# Altium PCB amp.PcbDoc (part 16 of 20)
Units mm, origin at the board's own origin, x right, y up, seen from the top; angles counter-clockwise.
Board outline 210 x 210 mm, 2 copper layers (Top Layer, Bottom Layer); 742 components, 1354 nets, 6402 pads, 5154 vias.
Unrouted connection lines stored in the file: 702.
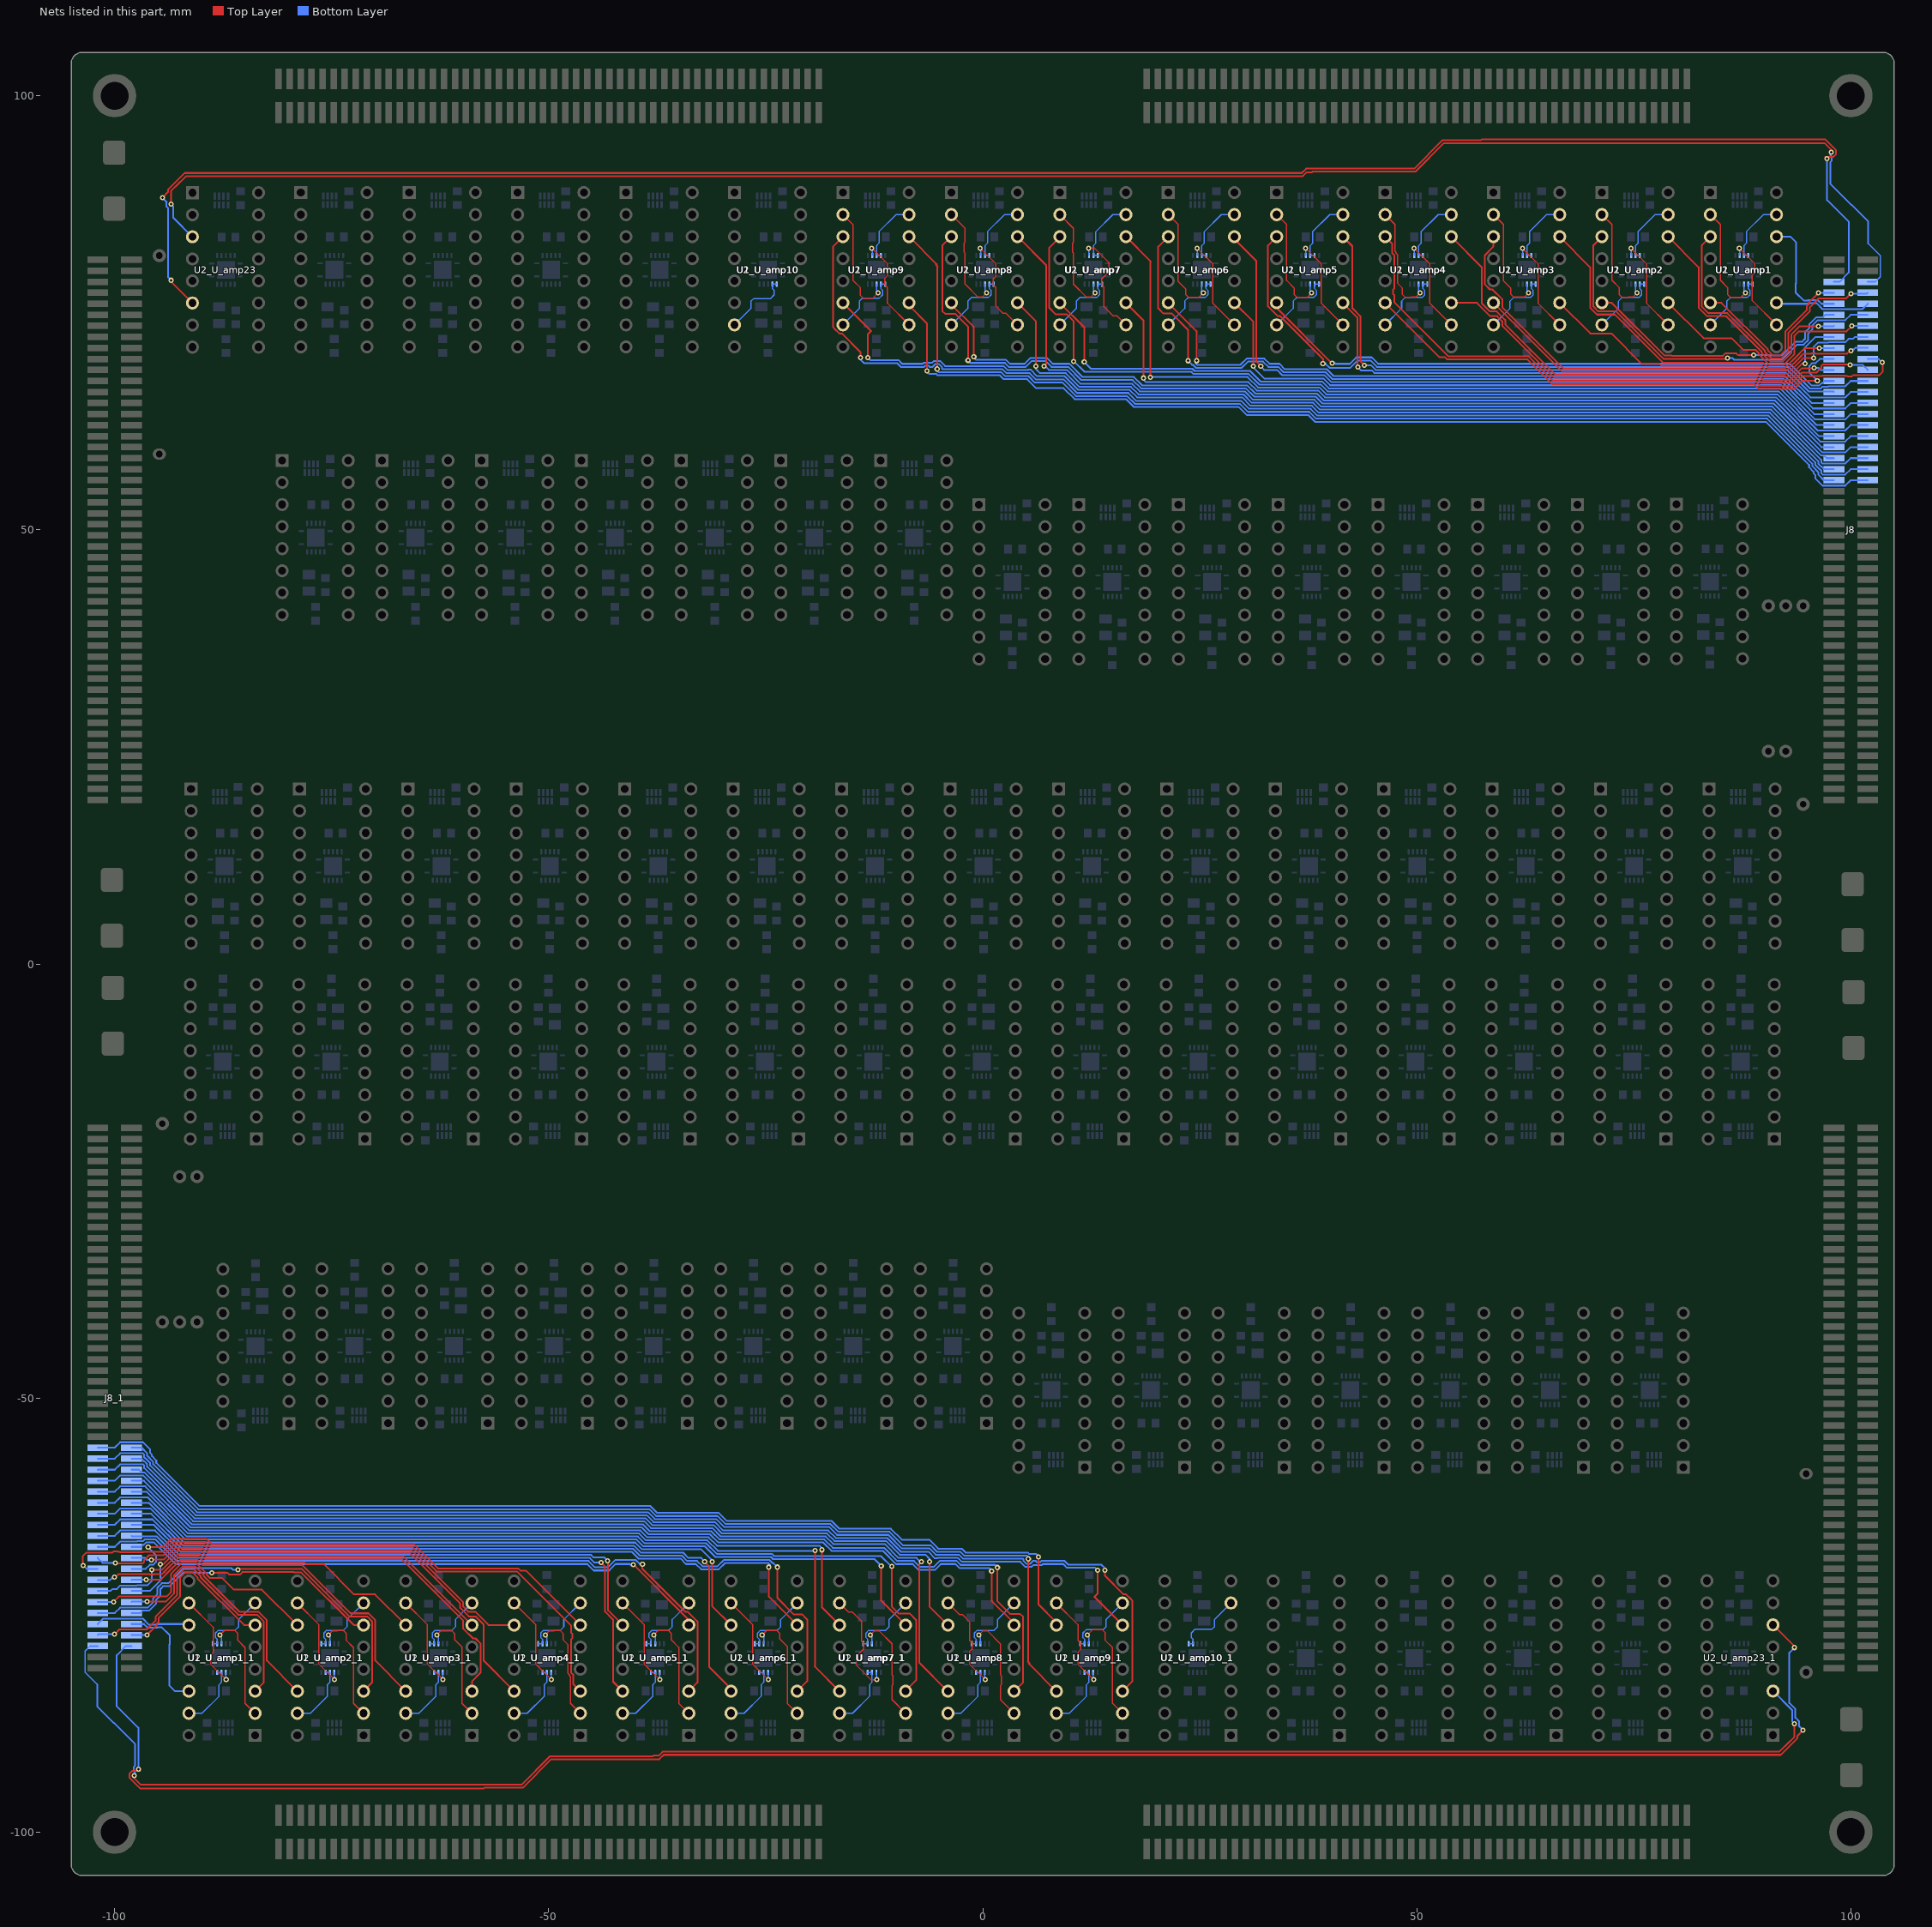
[diagram p16: the nets of this part, all layers, seen from the top]

## Via types
v1: diameter 0.6, hole 0.3, Top Layer to Bottom Layer, tented both sides, 4704 vias
v2: diameter 0.5, hole 0.3, Top Layer to Bottom Layer, 450 vias

## Nets (pads, with @x,y where several pads share a name; then routed paths per layer and width w, separated by ;. In a path a pad name is that pad's centre, name@x,y a point inside that pad or via, vN(x,y) a via of type N, cw(c..) or ccw(c..) an arc to the next point about the centre after c; other vN are vias at no path point) (continued)
NetJ8_59: J8.59 J8_1.59 U2_U_amp9.14 U2_U_amp9_1.14 | length 251.5
  Top Layer w0.2: U2_U_amp9.14@-8.481,83.77 -5.309,80.598 -5.385,80.522 -5.207,80.344 -5.258,80.293 v1(-5.258,68.529) ; v1(5.258,-68.529) 5.258,-80.293 5.207,-80.344 5.385,-80.522 5.309,-80.598 U2_U_amp9_1.14@8.481,-83.77
  Bottom Layer w0.2: J8_1.59@-98.05,-55.715 -96.901,-55.715 -96.25,-56.366 -96.25,-56.647 -95.55,-57.347 -95.55,-57.627 -90.374,-62.802 -38.419,-62.802 -37.631,-63.59 -30.556,-63.59 -29.624,-64.522 -17.532,-64.522 -16.64,-65.413 -10.722,-65.413 -9.144,-66.991 -5.968,-66.991 -5.445,-67.514 -5.239,-67.72 -2.558,-67.72 -2.108,-68.171 5.077,-68.171 5.258,-68.351 v1(5.258,-68.529) ; v1(-5.258,68.529) -5.258,68.351 -5.077,68.171 2.108,68.171 2.558,67.72 5.239,67.72 5.445,67.514 5.968,66.991 9.144,66.991 10.722,65.413 16.64,65.413 17.532,64.522 29.624,64.522 30.556,63.59 37.631,63.59 38.419,62.802 90.374,62.802 95.55,57.627 95.55,57.347 96.25,56.647 96.25,56.366 96.901,55.715 J8.59@98.05,55.715
NetJ8_60: J8.60 J8_1.60 U2_U_amp9.11 U2_U_amp9_1.11 | length 246.7
  Top Layer w0.2: U2_U_amp9.11@-8.481,76.15 -8.481,75.846 -6.426,73.791 v1(-6.426,68.326) ; v1(6.426,-68.326) 6.426,-73.791 8.481,-75.846 U2_U_amp9_1.11@8.481,-76.15
  Bottom Layer w0.2: J8_1.60@-101.95,-55.715 -99.974,-55.715 -99.354,-55.095 -96.746,-55.095 -95.9,-55.941 -95.9,-56.322 -95.707,-56.515 -95.707,-56.694 -95.2,-57.202 -95.2,-57.482 -90.229,-62.452 -38.274,-62.452 -37.486,-63.24 -30.411,-63.24 -29.479,-64.172 -17.387,-64.172 -16.495,-65.063 -10.577,-65.063 -9.324,-66.316 -6.148,-66.316 -5.3,-67.164 -5.094,-67.37 -2.413,-67.37 -1.976,-67.807 5.213,-67.807 5.371,-67.965 6.193,-67.965 6.426,-68.199 v1(6.426,-68.326) ; v1(-6.426,68.326) -6.426,68.199 -6.193,67.965 -5.371,67.965 -5.213,67.807 1.976,67.807 2.413,67.37 5.094,67.37 5.3,67.164 6.148,66.316 9.324,66.316 10.577,65.063 16.495,65.063 17.387,64.172 29.479,64.172 30.411,63.24 37.486,63.24 38.274,62.452 90.229,62.452 95.2,57.482 95.2,57.202 95.707,56.694 95.707,56.515 95.9,56.322 95.9,55.941 96.746,55.095 99.354,55.095 99.974,55.715 J8.60@101.95,55.715
NetJ8_61: J8.61 J8_1.61 U2_U_amp9.6 U2_U_amp9_1.6 | length 249.8
  Top Layer w0.2: U2_U_amp9.6@-16.101,76.15 -12.852,72.902 -13.233,72.521 v1(-13.233,69.825) ; v1(13.233,-69.825) 13.233,-72.521 12.852,-72.902 U2_U_amp9_1.6@16.101,-76.15
  Bottom Layer w0.2: J8_1.61@-98.05,-56.985 -96.951,-56.985 -96.651,-57.285 -96.601,-57.285 -96.25,-57.636 -96.25,-57.917 -90.664,-63.502 -38.709,-63.502 -37.921,-64.29 -30.845,-64.29 -29.886,-65.25 -17.794,-65.25 -16.93,-66.113 -11.012,-66.113 -9.434,-67.691 -6.258,-67.691 -5.487,-68.462 -5.28,-68.462 -5.239,-68.42 -2.848,-68.42 -2.398,-68.871 4.326,-68.871 4.885,-69.429 5.631,-69.429 5.834,-69.226 6.799,-69.226 6.905,-69.12 9.289,-69.12 9.714,-69.546 12.955,-69.546 v1(13.233,-69.825) ; v1(-13.233,69.825) -12.955,69.546 -9.714,69.546 -9.289,69.12 -6.905,69.12 -6.799,69.226 -5.834,69.226 -5.631,69.429 -4.885,69.429 -4.326,68.871 2.398,68.871 2.848,68.42 5.239,68.42 5.28,68.462 5.487,68.462 6.258,67.691 9.434,67.691 11.012,66.113 16.93,66.113 17.794,65.25 29.886,65.25 30.845,64.29 37.921,64.29 38.709,63.502 90.664,63.502 96.25,57.917 96.25,57.636 96.601,57.285 96.651,57.285 96.951,56.985 J8.61@98.05,56.985
NetJ8_62: J8.62 J8_1.62 U2_U_amp9.3 U2_U_amp9_1.3 | length 277.4
  Top Layer w0.2: U2_U_amp9.3@-16.101,83.77 -17.247,82.625 -17.247,73.355 -17.101,73.21 -17.101,73.196 -16.515,72.61 -16.227,72.61 -14.097,70.48 v1(-14.097,69.825) ; v1(14.097,-69.825) 14.097,-70.48 16.227,-72.61 16.515,-72.61 17.101,-73.196 17.101,-73.21 17.247,-73.355 17.247,-82.625 U2_U_amp9_1.3@16.101,-83.77
  Bottom Layer w0.2: J8_1.62@-101.95,-56.985 -99.974,-56.985 -99.354,-56.365 -96.746,-56.365 -96.6,-56.511 -96.6,-56.841 -96.506,-56.935 -96.456,-56.935 -95.9,-57.492 -95.9,-57.772 -90.519,-63.152 -38.564,-63.152 -37.776,-63.94 -30.701,-63.94 -29.769,-64.872 -17.677,-64.872 -16.785,-65.763 -10.867,-65.763 -9.289,-67.341 -6.113,-67.341 -5.549,-67.906 -5.384,-68.07 -2.703,-68.07 -2.253,-68.521 4.649,-68.521 4.708,-68.579 4.708,-68.757 5.03,-69.079 5.486,-69.079 5.816,-68.749 6.071,-68.749 6.198,-68.876 6.654,-68.876 6.76,-68.77 9.434,-68.77 9.859,-69.196 13.662,-69.196 14.097,-69.631 v1(14.097,-69.825) ; v1(-14.097,69.825) -14.097,69.631 -13.662,69.196 -9.859,69.196 -9.434,68.77 -6.76,68.77 -6.654,68.876 -6.198,68.876 -6.071,68.749 -5.816,68.749 -5.486,69.079 -5.03,69.079 -4.708,68.757 -4.708,68.579 -4.649,68.521 2.253,68.521 2.703,68.07 5.384,68.07 5.549,67.906 6.113,67.341 9.289,67.341 10.867,65.763 16.785,65.763 17.677,64.872 29.769,64.872 30.701,63.94 37.776,63.94 38.564,63.152 90.519,63.152 95.9,57.772 95.9,57.492 96.456,56.935 96.506,56.935 96.6,56.841 96.6,56.511 96.746,56.365 99.354,56.365 99.974,56.985 J8.62@101.95,56.985
NetJ8_63: J8.63 J8_1.63 U2_U_amp8.14 U2_U_amp8_1.14 | length 223.6
  Top Layer w0.2: v1(-7.049,-68.87) -7.321,-69.142 -7.321,-80.459 U2_U_amp8_1.14@-4.009,-83.77 ; U2_U_amp8.14@4.009,83.77 7.321,80.459 7.321,69.142 v1(7.049,68.87)
  Bottom Layer w0.2: J8_1.63@-98.05,-58.255 -97.205,-58.255 -96.905,-58.555 -96.601,-58.555 -90.954,-64.202 -38.998,-64.202 -38.211,-64.99 -31.135,-64.99 -30.176,-65.95 -18.084,-65.95 -17.22,-66.813 -11.302,-66.813 -9.695,-68.42 -7.631,-68.42 -7.141,-68.91 -7.101,-68.87 v1(-7.049,-68.87) ; v1(7.049,68.87) 7.101,68.87 7.141,68.91 7.631,68.42 9.695,68.42 11.302,66.813 17.22,66.813 18.084,65.95 30.176,65.95 31.135,64.99 38.211,64.99 38.998,64.202 90.954,64.202 96.601,58.555 96.905,58.555 97.205,58.255 J8.63@98.05,58.255
NetJ8_64: J8.64 J8_1.64 U2_U_amp8.11 U2_U_amp8_1.11 | length 218.5
  Top Layer w0.2: v1(-6.121,-68.859) -6.121,-74.041 -6.12,-74.04 U2_U_amp8_1.11@-4.009,-76.15 ; U2_U_amp8.11@4.009,76.15 6.12,74.04 6.121,74.041 v1(6.121,68.859)
  Bottom Layer w0.2: J8_1.64@-101.95,-58.255 -99.974,-58.255 -99.354,-57.635 -96.746,-57.635 -96.6,-57.781 -96.6,-58.062 -90.809,-63.852 -38.854,-63.852 -38.066,-64.64 -30.99,-64.64 -30.031,-65.6 -17.939,-65.6 -17.075,-66.463 -11.157,-66.463 -9.574,-68.047 -6.604,-68.047 -6.121,-68.529 v1(-6.121,-68.859) ; v1(6.121,68.859) 6.121,68.529 6.604,68.047 9.574,68.047 11.157,66.463 17.075,66.463 17.939,65.6 30.031,65.6 30.99,64.64 38.066,64.64 38.854,63.852 90.809,63.852 96.6,58.062 96.6,57.781 96.746,57.635 99.354,57.635 99.974,58.255 J8.64@101.95,58.255
NetJ8_65: J8.65 J8_1.65 U2_U_amp8.6 U2_U_amp8_1.6 | length 222.6
  Top Layer w0.2: U2_U_amp8.6@-3.611,76.15 -3.611,75.947 -1.016,73.352 v1(-1.016,69.926) ; v1(1.016,-69.926) 1.016,-73.352 3.611,-75.947 U2_U_amp8_1.6@3.611,-76.15
  Bottom Layer w0.2: J8_1.65@-98.05,-59.525 -96.621,-59.525 -91.244,-64.902 -39.288,-64.902 -38.501,-65.69 -31.425,-65.69 -30.465,-66.65 -18.374,-66.65 -17.423,-67.601 -11.505,-67.601 -9.94,-69.165 -9.896,-69.12 -8.072,-69.12 -7.422,-69.77 -5.466,-69.77 -4.817,-69.12 -3.138,-69.12 -2.688,-69.571 0.776,-69.571 1.016,-69.811 v1(1.016,-69.926) ; v1(-1.016,69.926) -1.016,69.811 -0.776,69.571 2.688,69.571 3.138,69.12 4.817,69.12 5.466,69.77 7.422,69.77 8.072,69.12 9.896,69.12 9.94,69.165 11.505,67.601 17.423,67.601 18.374,66.65 30.465,66.65 31.425,65.69 38.501,65.69 39.288,64.902 91.244,64.902 96.621,59.525 J8.65@98.05,59.525
NetJ8_66: J8.66 J8_1.66 U2_U_amp8.3 U2_U_amp8_1.3 | length 250.8
  Top Layer w0.2: U2_U_amp8.3@-3.611,83.77 -4.648,82.733 -4.648,75.209 -4.293,74.854 -3.15,74.854 -1.702,73.406 v1(-1.702,69.52) ; v1(1.702,-69.52) 1.702,-73.406 3.15,-74.854 4.293,-74.854 4.648,-75.209 4.648,-82.733 U2_U_amp8_1.3@3.611,-83.77
  Bottom Layer w0.2: J8_1.66@-101.95,-59.525 -99.974,-59.525 -99.354,-58.905 -96.746,-58.905 -91.099,-64.552 -39.143,-64.552 -38.356,-65.34 -31.28,-65.34 -30.321,-66.3 -18.229,-66.3 -17.278,-67.251 -11.36,-67.251 -9.84,-68.77 -7.927,-68.77 -7.277,-69.42 -5.611,-69.42 -4.962,-68.77 -2.993,-68.77 -2.543,-69.221 1.418,-69.221 1.49,-69.292 1.49,-69.308 v1(1.702,-69.52) ; v1(-1.702,69.52) -1.49,69.308 -1.49,69.292 -1.418,69.221 2.543,69.221 2.993,68.77 4.962,68.77 5.611,69.42 7.277,69.42 7.927,68.77 9.84,68.77 11.36,67.251 17.278,67.251 18.229,66.3 30.321,66.3 31.28,65.34 38.356,65.34 39.143,64.552 91.099,64.552 96.746,58.905 99.354,58.905 99.974,59.525 J8.66@101.95,59.525
NetJ8_67: J8.67 J8_1.67 U2_U_amp7.14 U2_U_amp7_1.14 | length 198.1
  Top Layer w0.2: v1(-19.304,-67.564) -19.304,-80.864 -19.355,-80.915 U2_U_amp7_1.14@-16.499,-83.77 ; U2_U_amp7.14@16.499,83.77 19.355,80.915 19.304,80.864 v1(19.304,67.564)
  Bottom Layer w0.2: J8_1.67@-98.05,-60.795 -96.341,-60.795 -91.534,-65.602 -39.578,-65.602 -38.791,-66.39 -31.715,-66.39 -30.504,-67.601 -19.468,-67.601 -19.355,-67.488 -19.304,-67.539 v1(-19.304,-67.564) ; v1(19.304,67.564) 19.304,67.539 19.355,67.488 19.468,67.601 30.504,67.601 31.715,66.39 38.791,66.39 39.578,65.602 91.534,65.602 96.341,60.795 J8.67@98.05,60.795
NetJ8_68: J8.68 J8_1.68 U2_U_amp7.11 U2_U_amp7_1.11 | length 192.8
  Top Layer w0.2: v1(-18.517,-67.488) -18.517,-74.133 U2_U_amp7_1.11@-16.499,-76.15 ; U2_U_amp7.11@16.499,76.15 18.517,74.133 v1(18.517,67.488)
  Bottom Layer w0.2: J8_1.68@-101.95,-60.795 -99.974,-60.795 -99.354,-60.175 -96.466,-60.175 -91.389,-65.252 -39.433,-65.252 -38.646,-66.04 -31.57,-66.04 -30.596,-67.014 -18.813,-67.014 v1@-18.479,-67.348 ; v1(-18.517,-67.488) -18.517,-67.386 v1@-18.479,-67.348 ; v1(18.517,67.488) 18.517,67.386 v1@18.479,67.348 ; J8.68@101.95,60.795 99.974,60.795 99.354,60.175 96.466,60.175 91.389,65.252 39.433,65.252 38.646,66.04 31.57,66.04 30.596,67.014 18.813,67.014 v1@18.479,67.348 ; v1@-18.479,-67.348 -18.466,-67.361 -18.466,-67.335 v1@-18.479,-67.348 ; v1@18.479,67.348 18.466,67.335 18.466,67.361 v1@18.479,67.348
NetJ8_69: J8.69 J8_1.69 U2_U_amp7.6 U2_U_amp7_1.6 | length 194.7
  Top Layer w0.2: v1(-11.684,-69.342) -11.684,-73.346 U2_U_amp7_1.6@-8.879,-76.15 ; U2_U_amp7.6@8.879,76.15 11.684,73.346 v1(11.684,69.342)
  Bottom Layer w0.2: J8_1.69@-98.05,-62.065 -96.061,-62.065 -91.824,-66.302 -39.868,-66.302 -39.081,-67.09 -32.005,-67.09 -30.789,-68.306 -24.401,-68.306 -24.153,-68.555 -12.471,-68.555 v1(-11.684,-69.342) ; v1(11.684,69.342) 12.471,68.555 24.153,68.555 24.401,68.306 30.789,68.306 32.005,67.09 39.081,67.09 39.868,66.302 91.824,66.302 96.061,62.065 J8.69@98.05,62.065
NetJ8_70: J8.70 J8_1.70 U2_U_amp7.3 U2_U_amp7_1.3 | length 223.6
  Top Layer w0.2: v1(-10.49,-69.393) -10.49,-74.016 -9.703,-74.803 -8.433,-74.803 -7.671,-75.565 -7.671,-82.499 -8.879,-83.708 U2_U_amp7_1.3@-8.879,-83.77 ; U2_U_amp7.3@8.879,83.77 8.879,83.708 7.671,82.499 7.671,75.565 8.433,74.803 9.703,74.803 10.49,74.016 v1(10.49,69.393)
  Bottom Layer w0.2: J8_1.70@-101.95,-62.065 -99.974,-62.065 -99.354,-61.445 -96.186,-61.445 -91.679,-65.952 -39.723,-65.952 -38.936,-66.74 -31.86,-66.74 -30.644,-67.956 -24.256,-67.956 -24.008,-68.205 -11.729,-68.205 -10.516,-69.418 v1(-10.49,-69.393) ; v1(10.49,69.393) 10.516,69.418 11.729,68.205 24.008,68.205 24.256,67.956 30.644,67.956 31.86,66.74 38.936,66.74 39.723,65.952 91.679,65.952 96.186,61.445 99.354,61.445 99.974,62.065 J8.70@101.95,62.065
NetJ8_71: J8.71 J8_1.71 U2_U_amp6.14 U2_U_amp6_1.14 | length 169.2
  Top Layer w0.2: v1(-32.029,-68.834) -32.08,-68.834 -31.496,-69.418 -31.496,-74.813 -31.513,-74.829 -31.513,-75.285 -31.496,-75.301 -31.496,-76.014 -31.508,-76.026 -31.508,-80.975 -28.989,-83.493 U2_U_amp6_1.14@-28.989,-83.77 ; U2_U_amp6.14@28.989,83.77 28.989,83.493 31.508,80.975 31.508,76.026 31.496,76.014 31.496,75.301 31.513,75.285 31.513,74.829 31.496,74.813 31.496,69.418 32.08,68.834 v1(32.029,68.834)
  Bottom Layer w0.2: J8_1.71@-98.05,-63.335 -95.781,-63.335 -92.114,-67.002 -40.158,-67.002 -39.371,-67.79 -34.525,-67.79 -33.894,-68.42 -32.418,-68.42 -32.029,-68.809 v1(-32.029,-68.834) ; v1(32.029,68.834) 32.029,68.809 32.418,68.42 33.894,68.42 34.525,67.79 39.371,67.79 40.158,67.002 92.114,67.002 95.781,63.335 J8.71@98.05,63.335
NetJ8_72: J8.72 J8_1.72 U2_U_amp6.11 U2_U_amp6_1.11 | length 163.7
  Top Layer w0.2: v1(-31.146,-68.834) -31.146,-73.994 U2_U_amp6_1.11@-28.989,-76.15 ; U2_U_amp6.11@28.989,76.15 31.146,73.994 v1(31.146,68.834)
  Bottom Layer w0.2: J8_1.72@-101.95,-63.335 -99.974,-63.335 -99.354,-62.715 -95.906,-62.715 -91.969,-66.652 -40.013,-66.652 -39.226,-67.44 -32.433,-67.44 -31.146,-68.727 v1(-31.146,-68.834) ; v1(31.146,68.834) 31.146,68.727 32.433,67.44 39.226,67.44 40.013,66.652 91.969,66.652 95.906,62.715 99.354,62.715 99.974,63.335 J8.72@101.95,63.335
NetJ8_73: J8.73 J8_1.73 U2_U_amp6.6 U2_U_amp6_1.6 | length 168.9
  Top Layer w0.2: v1(-24.638,-69.469) -24.638,-72.882 U2_U_amp6_1.6@-21.369,-76.15 ; U2_U_amp6.6@21.369,76.15 24.638,72.882 v1(24.638,69.469)
  Bottom Layer w0.2: J8_1.73@-98.05,-64.605 -95.501,-64.605 -92.404,-67.702 -40.448,-67.702 -39.661,-68.49 -34.815,-68.49 -34.184,-69.12 -33.052,-69.12 -32.438,-69.734 -30.411,-69.734 -29.683,-69.006 -24.691,-69.006 -24.486,-69.212 -24.638,-69.364 v1(-24.638,-69.469) ; v1(24.638,69.469) 24.638,69.364 24.486,69.212 24.691,69.006 29.683,69.006 30.411,69.734 32.438,69.734 33.052,69.12 34.184,69.12 34.815,68.49 39.661,68.49 40.448,67.702 92.404,67.702 95.501,64.605 J8.73@98.05,64.605
NetJ8_74: J8.74 J8_1.74 U2_U_amp6.3 U2_U_amp6_1.3 | length 196.4
  Top Layer w0.2: v1(-23.647,-69.469) -23.647,-73.05 -21.793,-74.905 -20.828,-74.905 -20.218,-75.514 -20.218,-82.619 U2_U_amp6_1.3@-21.369,-83.77 ; U2_U_amp6.3@21.369,83.77 20.218,82.619 20.218,75.514 20.828,74.905 21.793,74.905 23.647,73.05 v1(23.647,69.469)
  Bottom Layer w0.2: J8_1.74@-101.95,-64.605 -99.974,-64.605 -99.354,-63.985 -95.626,-63.985 -92.259,-67.352 -40.303,-67.352 -39.516,-68.14 -34.67,-68.14 -34.039,-68.77 -32.907,-68.77 -32.293,-69.384 -30.556,-69.384 -29.828,-68.656 -24.546,-68.656 -24.199,-69.003 -24.113,-69.003 v1(-23.647,-69.469) ; v1(23.647,69.469) 24.113,69.003 24.199,69.003 24.546,68.656 29.828,68.656 30.556,69.384 32.293,69.384 32.907,68.77 34.039,68.77 34.67,68.14 39.516,68.14 40.303,67.352 92.259,67.352 95.626,63.985 99.354,63.985 99.974,64.605 J8.74@101.95,64.605
NetJ8_75: J8.75 J8_1.75 U2_U_amp5.14 U2_U_amp5_1.14 | length 142.4
  Top Layer w0.2: v1(-43.967,-68.961) -43.505,-69.424 -43.505,-74.62 -42.57,-75.555 -42.57,-82.68 U2_U_amp5_1.14@-41.48,-83.77 ; U2_U_amp5.14@41.48,83.77 42.57,82.68 42.57,75.555 43.505,74.62 43.505,69.424 v1(43.967,68.961)
  Bottom Layer w0.2: J8_1.75@-98.05,-65.875 -97.992,-65.933 -95.163,-65.933 -92.676,-68.42 -45.252,-68.42 -44.712,-68.961 v1(-43.967,-68.961) ; v1(43.967,68.961) 44.712,68.961 45.252,68.42 92.676,68.42 95.163,65.933 97.992,65.933 J8.75@98.05,65.875
NetJ8_76: J8.76 J8_1.76 U2_U_amp5.11 U2_U_amp5_1.11 | length 137.3
  Top Layer w0.2: v1(-43.205,-68.758) -43.205,-68.732 -43.155,-68.783 -43.155,-74.475 U2_U_amp5_1.11@-41.48,-76.15 ; U2_U_amp5.11@41.48,76.15 43.155,74.475 43.155,68.783 43.205,68.732 v1(43.205,68.758)
  Bottom Layer w0.2: J8_1.76@-101.95,-65.875 -99.974,-65.875 -99.326,-65.227 -96.799,-65.227 -96.771,-65.255 -95.346,-65.255 -92.531,-68.07 -45.107,-68.07 -44.801,-68.377 -43.561,-68.377 -43.205,-68.732 v1(-43.205,-68.758) ; v1(43.205,68.758) 43.205,68.732 43.561,68.377 44.801,68.377 45.107,68.07 92.531,68.07 95.346,65.255 96.771,65.255 96.799,65.227 99.326,65.227 99.974,65.875 J8.76@101.95,65.875
NetJ8_77: J8.77 J8_1.77 U2_U_amp5.6 U2_U_amp5_1.6 | length 138.9
  Top Layer w0.2: v1(-40.234,-69.19) -33.86,-75.564 U2_U_amp5_1.6@-33.86,-76.15 ; U2_U_amp5.6@33.86,76.15 33.86,75.564 v1(40.234,69.19)
  Bottom Layer w0.2: J8_1.77@-98.05,-67.145 -96.965,-67.145 -96.678,-66.859 -96.635,-66.902 -96.367,-66.633 -95.453,-66.633 -92.966,-69.12 -45.542,-69.12 -44.802,-69.861 -43.028,-69.861 -42.287,-69.12 -40.672,-69.12 -40.49,-69.302 -40.346,-69.302 v1(-40.234,-69.19) ; v1(40.234,69.19) 40.346,69.302 40.49,69.302 40.672,69.12 42.287,69.12 43.028,69.861 44.802,69.861 45.542,69.12 92.966,69.12 95.453,66.633 96.367,66.633 96.635,66.902 96.678,66.859 96.965,67.145 J8.77@98.05,67.145
NetJ8_78: J8.78 J8_1.78 U2_U_amp5.3 U2_U_amp5_1.3 | length 165.7
  Top Layer w0.2: v1(-39.192,-69.139) -39.192,-69.692 -34.274,-74.61 -33.985,-74.61 -32.86,-75.736 -32.86,-82.77 U2_U_amp5_1.3@-33.86,-83.77 ; U2_U_amp5.3@33.86,83.77 32.86,82.77 32.86,75.736 33.985,74.61 34.274,74.61 39.192,69.692 v1(39.192,69.139)
  Bottom Layer w0.2: J8_1.78@-101.95,-67.145 -99.974,-67.145 -99.354,-66.525 -97.414,-66.525 -97.384,-66.495 -96.746,-66.495 -96.534,-66.283 -95.308,-66.283 -92.821,-68.77 -45.397,-68.77 -44.657,-69.511 -43.173,-69.511 -42.301,-68.64 -40.006,-68.64 -39.507,-69.139 v1(-39.192,-69.139) ; v1(39.192,69.139) 39.507,69.139 40.006,68.64 42.301,68.64 43.173,69.511 44.657,69.511 45.397,68.77 92.821,68.77 95.308,66.283 96.534,66.283 96.746,66.495 97.384,66.495 97.414,66.525 99.354,66.525 99.974,67.145 J8.78@101.95,67.145
NetJ8_79: J8.79 J8_1.79 U2_U_amp4.14 U2_U_amp4_1.14 | length 108.7
  Top Layer w0.2: v1(-95.783,-68.656) -95.783,-68.639 -95.759,-68.614 -94.358,-68.614 -93.014,-67.27 -89.866,-67.27 -89.288,-67.849 -66.015,-67.849 -60.19,-73.675 -60.19,-74.17 -59.209,-75.15 -58.426,-75.15 -57.49,-76.086 -57.49,-80.25 U2_U_amp4_1.14@-53.97,-83.77 ; U2_U_amp4.14@53.97,83.77 57.49,80.25 57.49,76.086 58.426,75.15 59.209,75.15 60.19,74.17 60.19,73.675 66.015,67.849 89.288,67.849 89.866,67.27 93.014,67.27 94.358,68.614 95.759,68.614 95.783,68.639 v1(95.783,68.656)
  Bottom Layer w0.2: J8_1.79@-98.05,-68.415 -96.528,-68.415 -96.312,-68.631 -96.261,-68.58 -96.185,-68.656 v1(-95.783,-68.656) ; v1(95.783,68.656) 96.185,68.656 96.261,68.58 96.312,68.631 96.528,68.415 J8.79@98.05,68.415
NetJ8_80: J8.80 J8_1.80 U2_U_amp4.11 U2_U_amp4_1.11 | length 106.7
  Top Layer w0.2: v1(-99.924,-68.986) -99.875,-69.035 -96.746,-69.035 -96.587,-68.876 -96.587,-68.665 -96.029,-68.106 -94.345,-68.106 -93.159,-66.92 -89.721,-66.92 -89.143,-67.499 -65.87,-67.499 -59.84,-73.53 -59.84,-74.025 -59.254,-74.61 -58.471,-74.61 -56.931,-76.15 U2_U_amp4_1.11@-53.97,-76.15 ; U2_U_amp4.11@53.97,76.15 56.931,76.15 58.471,74.61 59.254,74.61 59.84,74.025 59.84,73.53 65.87,67.499 89.143,67.499 89.721,66.92 93.159,66.92 94.345,68.106 96.029,68.106 96.587,68.665 96.587,68.876 96.746,69.035 99.875,69.035 v1(99.924,68.986)
  Bottom Layer w0.2: J8_1.80@-101.95,-68.415 -101.379,-68.986 v1(-99.924,-68.986) ; v1(99.924,68.986) 101.379,68.986 J8.80@101.95,68.415
NetJ8_81: J8.81 J8_1.81 U2_U_amp4.6 U2_U_amp4_1.6 | length 119.1
  Top Layer w0.2: v1(-96.139,-67.183) -94.412,-67.183 -93.449,-66.22 -89.431,-66.22 -88.853,-66.799 -65.581,-66.799 -62.753,-69.627 -53.504,-69.627 -53.256,-69.875 -52.625,-69.875 U2_U_amp4_1.6@-46.35,-76.15 ; U2_U_amp4.6@46.35,76.15 52.625,69.875 53.256,69.875 53.504,69.627 62.753,69.627 65.581,66.799 88.853,66.799 89.431,66.22 93.449,66.22 94.412,67.183 v1(96.139,67.183)
  Bottom Layer w0.2: J8_1.81@-98.05,-69.685 -96.422,-69.685 -95.943,-69.206 -95.556,-69.206 -95.233,-68.884 -95.233,-68.089 v1(-96.139,-67.183) ; v1(96.139,67.183) 95.233,68.089 95.233,68.884 95.556,69.206 95.943,69.206 96.422,69.685 J8.81@98.05,69.685
NetJ8_82: J8.82 J8_1.82 U2_U_amp4.3 U2_U_amp4_1.3 | length 144.2
  Top Layer w0.2: v1(-103.607,-69.291) -103.581,-69.266 -103.581,-69.113 -103.683,-69.012 -103.683,-68.224 -103.254,-67.795 -100.247,-67.795 -100.126,-67.674 -99.67,-67.674 -99.614,-67.731 -99.388,-67.731 -99.354,-67.765 -96.746,-67.765 -96.712,-67.731 -96.648,-67.731 -96.646,-67.733 -94.467,-67.733 -93.304,-66.57 -89.576,-66.57 -88.998,-67.149 -65.725,-67.149 -62.898,-69.977 -53.649,-69.977 -47.422,-76.204 -47.422,-77.022 -47.253,-77.191 -47.253,-77.647 -47.422,-77.816 -47.422,-81.609 -47.171,-81.86 -47.171,-82.949 U2_U_amp4_1.3@-46.35,-83.77 ; U2_U_amp4.3@46.35,83.77 47.171,82.949 47.171,81.86 47.422,81.609 47.422,77.816 47.253,77.647 47.253,77.191 47.422,77.022 47.422,76.204 53.649,69.977 62.898,69.977 65.725,67.149 88.998,67.149 89.576,66.57 93.304,66.57 94.467,67.733 96.646,67.733 96.648,67.731 96.712,67.731 96.746,67.765 99.354,67.765 99.388,67.731 99.614,67.731 99.67,67.674 100.126,67.674 100.247,67.795 103.254,67.795 103.683,68.224 103.683,69.012 103.581,69.113 103.581,69.266 v1(103.607,69.291)
  Bottom Layer w0.2: v1(-103.607,-69.291) -103.213,-69.685 J8_1.82@-101.95,-69.685 ; J8.82@101.95,69.685 103.213,69.685 v1(103.607,69.291)
NetJ8_83: J8.83 J8_1.83 U2_U_amp3.14 U2_U_amp3_1.14 | length 83.1
  Top Layer w0.2: v1(-96.368,-70.942) -94.742,-70.942 ; -94.717,-70.968 -94.742,-70.942 ; U2_U_amp3_1.14@-66.46,-83.77 -69.98,-80.25 -69.98,-75.591 -70.771,-74.8 -72.816,-74.8 -78.367,-69.249 -89.868,-69.249 -90.446,-68.67 -92.435,-68.67 -93.84,-70.076 -93.84,-70.078 -94.417,-70.655 -94.419,-70.655 -94.706,-70.942 -94.742,-70.942 ; U2_U_amp3.14@66.46,83.77 69.98,80.25 69.98,75.591 70.771,74.8 72.816,74.8 78.367,69.249 89.868,69.249 90.446,68.67 92.435,68.67 93.84,70.076 93.84,70.078 94.417,70.655 94.419,70.655 94.706,70.942 94.742,70.942 ; 94.717,70.968 94.742,70.942 ; v1(96.368,70.942) 94.742,70.942